# KiCad board skippy 2.kicad_pcb (continued)
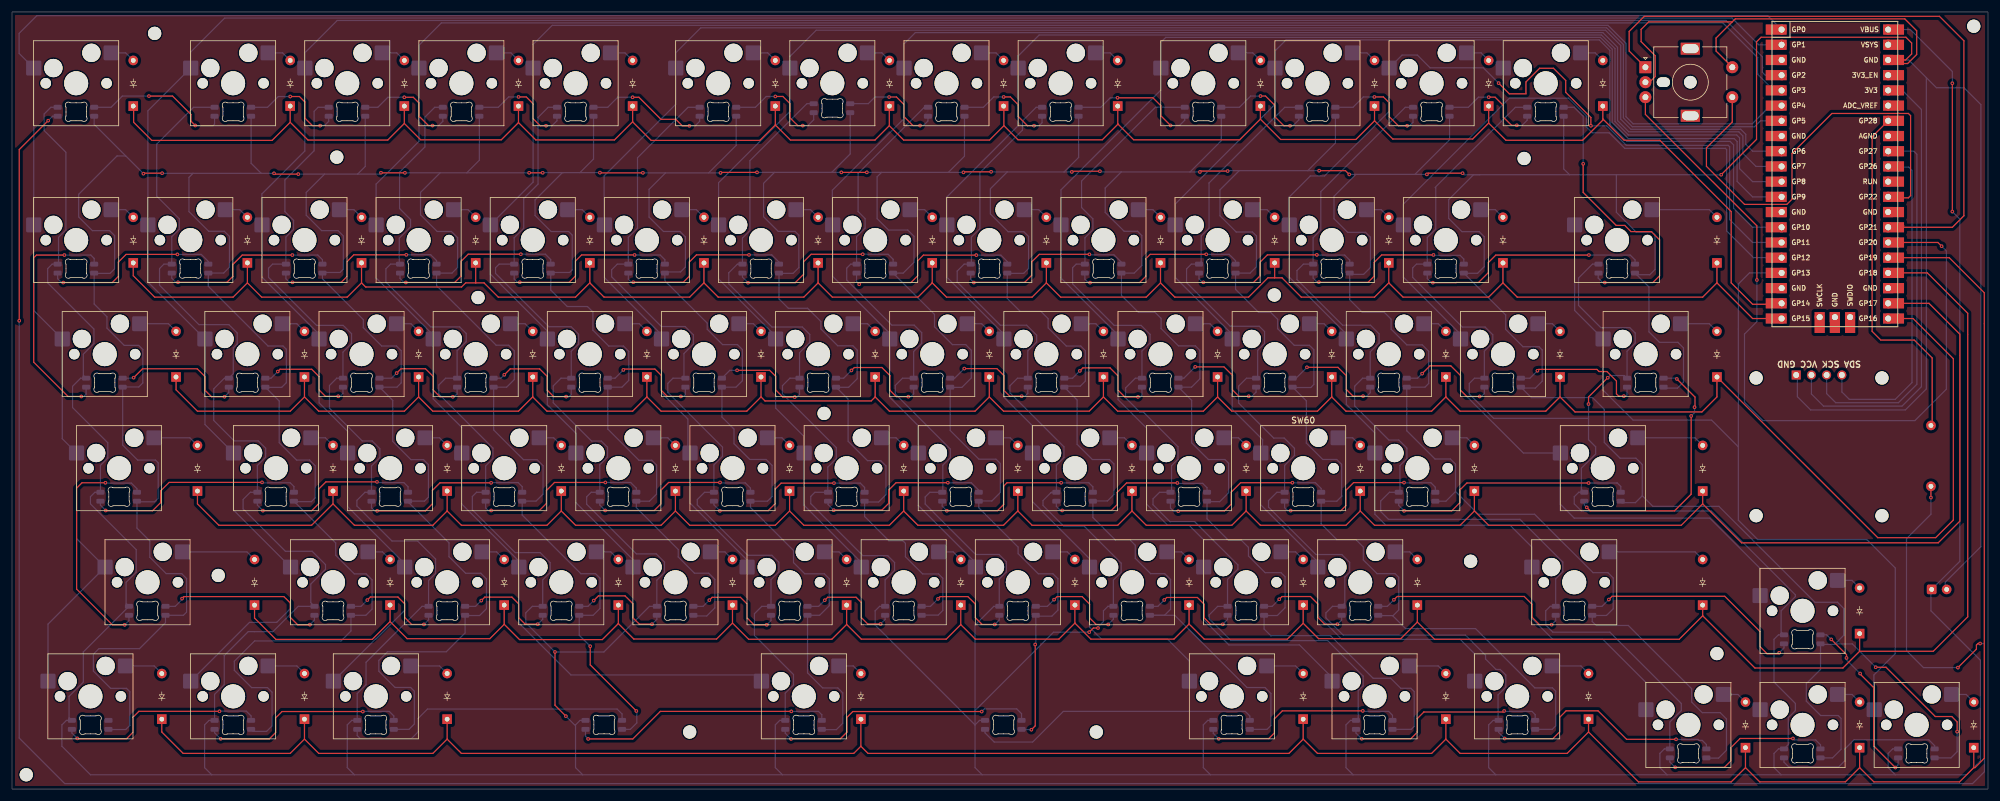
[diagram p0: board, top side]
## Routing (per net, layer and track width the routed paths; a pad name or vN(x,y) marks a point on that pad's centre or on a via; arc(x,y) is an arc through that point) (continued)
Col_8: length 267.6
  Bottom w0.2: SW44.1 160.79,37.83 151.27,47.36 SW43.1 151.21,56.18 151.21,60.72 146.51,65.43 SW42.1 146.51,76.09 136.98,85.62 SW41.1 136.92,94.28 136.92,100.01 148.89,111.98 SW40.1 148.89,124.45 150.77,126.33 265.52,126.33 267.97,123.88 267.97,111.64 269.84,109.77 288.2,109.77 288.89,109.08 288.89,106.17 291.08,103.98 U1.10
Col_9: length 281.8
  Bottom w0.2: U1.11 290.51,101.44 288.34,103.62 288.34,108.76 287.86,109.24 269.77,109.24 269.77,109.25 267.55,111.47 267.55,123.66 265.28,125.93 171.43,125.93 167.94,122.44 SW45.1 167.94,110.79 155.97,98.82 155.97,94.28 SW46.1 156.03,85.49 165.56,75.96 SW47.1 165.56,65.43 170.26,60.72 170.26,56.18 SW48.1 170.32,48 179.84,38.47 SW49.1 179.84,27.02 181.86,25 192.88,25 196.51,21.37 SW50.1
Col_10: length 267.9
  Bottom w0.2: U1.12 290.51,98.9 287.93,101.49 287.93,108.14 287.44,108.63 269.78,108.63 267.09,111.32 267.09,123.56 265.11,125.53 192.56,125.53 191.75,124.72 SW51.1 191.75,116.74 175.08,100.07 SW52.1 175.08,85.35 184.61,75.82 SW53.1 184.61,65.03 189.37,60.27 SW54.1 189.37,47.57 192.88,44.05 196.45,44.05 198.89,41.61 SW55.1 198.89,28.27 203.1,24.07 214.89,24.07 220.32,18.63 SW56.1 ; 295.35,99.7 295.35,99.14
Col_11: length 256.4
  Bottom w0.2: SW62.1 244.08,18.08 244.08,22.62 241.7,25 221.95,25 217.94,29.01 SW61.1 217.94,37.94 208.42,47.47 SW60.1 208.73,56.43 208.73,58.35 203.66,63.42 SW59.1 203.66,75.94 194.13,85.47 SW58.1 194.13,97.69 210.8,114.36 SW57.1 210.8,123.27 212.65,125.12 264.92,125.12 266.69,123.35 266.69,111.22 266.7,111.21 266.7,111 269.54,108.16 286.76,108.16 287.34,107.58 287.34,97 290.51,93.82 U1.14
Col_12: length 250.3
  Top w0.2: v1(263.52,110.77) 263.52,112.16 259.32,116.36 259.32,118.34 257.28,120.38 254.97,120.38 252.69,118.1 252.69,116.11 249.91,116.11 v1(248.12,117.9)
  Bottom w0.2: v1(263.52,110.77) 266.17,110.77 269.43,107.51 286.44,107.51 286.68,107.27 286.68,95.12 290.51,91.28 U1.15 ; v1(248.12,117.9) 245.56,120.46 236.68,120.46 234.56,122.58 232.02,122.58 SW63.1 229.85,113.17 219.08,102.39 216.69,102.39 213.12,98.82 213.12,94.28 SW64.1 213.18,85.51 222.71,75.98 SW65.1 222.71,64.23 227.47,59.47 SW66.1 227.47,45.9 229.31,44.05 250.03,44.05 253.66,40.42 SW67.1 253.66,28.52 257.18,25 265.51,25 272.65,17.86 272.65,13.31 SW68.1
Col_13: length 222.7
  Bottom w0.2: SW74.1 SW73.1 291.7,32.36 291.7,36.91 283.37,45.24 260.75,45.24 258.42,47.57 SW72.1 252.25,56.12 241.76,66.62 SW71.1 241.76,75.96 232.23,85.49 SW70.1 232.23,97.69 248.78,114.24 ; SW69.1 248.9,114.36 248.78,114.24 ; 248.78,114.24 249.92,115.38 259.79,115.38 262.78,112.39 262.78,110.55 263.73,109.6 266.58,109.6 269.17,107.01 285.96,107.01 286.18,106.79 286.18,93.22 290.66,88.74 U1.16
Col_14: length 158.2
  Bottom w0.2: 288.13,57.15 288.13,84.34 289.99,86.2 U1.17 ; 288.13,57.15 288.13,44.9 291.36,41.67 309.56,41.67 314.32,36.91 314.32,22.62 310.75,19.05 310.75,13.31 SW77.1 ; 288.13,57.15 283.67,61.61 270.57,61.61 265.57,66.62 SW76.1 260.81,79.93 SW75.1
Led_DATA: length 505.8
  Top w0.2: v1(324.78,20.28) 327.87,23.37 327.87,24.05 328.12,24.3 v1(328.48,24.3) ; v1(6.04,111.63) 1.21,106.8 v1(1.21,78.21) ; v1(320.28,48.68) R1.2
  Bottom w0.2: v1(1.21,78.21) 1.21,8.51 8.81,0.91 327.23,0.91 329.2,2.88 329.2,24.3 v1(328.48,24.3) ; L1.2 6.77,112.36 v1(6.04,111.63) ; v1(320.28,48.68) 320.28,45.9 316.2,41.82 316.2,23.11 319.03,20.28 v1(324.78,20.28)
Row_1: length 360
  Top w0.2: D30.1 127.4,114.06 127.4,110.91 ; 208.36,111.88 211.75,108.48 224.29,108.48 227.41,111.6 ; 208.36,111.88 204.92,108.43 187.2,108.43 184.59,111.05 ; 208.36,111.88 D51.1 ; 146.43,110.78 144.03,108.38 129.93,108.38 127.4,110.91 ; 146.43,110.78 146.43,114.04 D35.1 ; 146.43,110.78 148.83,108.38 163.15,108.38 165.55,110.78 ; 127.4,110.91 124.83,108.33 106.68,108.33 103.58,111.43 ; 84.53,111.3 D19.1 ; 84.53,111.3 81.67,108.43 68.2,108.43 65.48,111.15 ; 84.53,111.3 87.43,108.41 100.55,108.41 103.58,111.43 ; 103.58,111.43 103.58,111.44 D25.1 ; D40.1 165.55,114.01 165.55,110.78 ; D69.1 265.51,111.92 ; 265.51,111.92 265.51,111.72 262.14,108.35 249.34,108.35 246.46,111.23 ; 265.51,111.92 269.08,108.35 275.03,108.35 286.94,96.44 286.94,84.53 290.51,80.96 295.2,80.96 U1.19 ; 246.46,111.23 243.79,108.56 230.45,108.56 227.41,111.6 ; 246.46,111.23 D63.1 ; 46.43,111.35 49.4,108.38 62.72,108.38 65.48,111.15 ; 46.43,111.35 43.42,108.33 23.33,108.33 20.3,111.36 20.3,114 D1.1 ; 46.43,111.35 D7.1 ; D45.1 184.55,114.06 184.55,111.08 184.59,111.05 ; 184.59,111.05 181.98,108.43 167.9,108.43 165.55,110.78 ; 227.41,111.6 D57.1 ; 65.48,111.15 D13.1
  Bottom w0.2: 294.96,80.96 295.35,81.36
Row_2: length 347.6
  Top w0.2: 172.64,84.53 175.02,82.15 189.31,82.15 191.69,84.53 ; 172.64,84.53 D46.1 ; 172.64,84.53 170.26,82.15 155.97,82.15 153.59,84.53 ; 115.49,84.53 113.11,82.15 98.82,82.15 96.44,84.53 ; 115.49,84.53 D31.1 ; 115.49,84.53 117.87,82.15 132.16,82.15 134.54,84.53 ; 248.84,84.53 251.22,82.15 282.18,82.15 284.56,84.53 ; 248.84,84.53 D70.1 ; 248.84,84.53 246.46,82.15 232.17,82.15 229.79,84.53 ; 77.39,84.53 75.72,84.53 75.04,83.85 59.03,83.85 58.34,84.53 ; 77.39,84.53 D20.1 ; 77.39,84.53 78.78,84.53 81.16,82.15 94.06,82.15 96.44,84.53 ; 96.44,84.53 D26.1 ; 229.79,84.53 D64.1 ; 229.79,84.53 227.41,82.15 215.18,82.15 211.96,85.38 210.74,85.38 ; D2.1 20.24,85.73 23.81,82.15 36.91,82.15 39.29,84.53 ; 134.54,84.53 D36.1 ; 134.54,84.53 136.92,82.15 151.21,82.15 153.59,84.53 ; 191.69,84.53 D52.1 ; 191.69,84.53 194.07,82.15 206.39,82.15 209.62,85.38 210.74,85.38 ; 210.74,85.38 D58.1 ; 39.29,84.53 D8.1 ; 39.29,84.53 41.67,82.15 55.96,82.15 58.34,84.53 ; 153.59,84.53 D41.1 ; 58.34,84.53 D14.1 ; 284.56,84.53 290.51,78.58 U1.20 ; 284.56,84.53 D75.1
Row_3: length 419.9
  Top w0.2: 220.27,65.48 222.65,63.1 236.93,63.1 239.32,65.48 ; 220.27,65.48 D59.1 ; 220.27,65.48 217.88,63.1 203.6,63.1 201.22,65.48 ; 144.07,65.48 146.45,63.1 160.73,63.1 163.12,65.48 ; 144.07,65.48 143.4,64.82 125.68,64.82 125.02,65.48 ; 144.07,65.48 D37.1 ; 163.12,65.48 165.5,63.1 179.78,63.1 182.17,65.48 ; 163.12,65.48 D42.1 ; 239.32,65.48 D65.1 ; 239.32,65.48 241.7,63.1 255.98,63.1 258.37,65.48 ; 201.22,65.48 D53.1 ; 201.22,65.48 198.83,63.1 184.55,63.1 182.17,65.48 ; 125.02,65.48 D32.1 ; 125.02,65.48 122.63,63.1 108.35,63.1 105.97,65.48 ; U1.21 317.3,78.58 324.02,71.86 324.02,44.93 321.07,41.98 311.4,41.98 D76.1 284.56,65.48 282.05,62.98 260.87,62.98 258.37,65.48 ; 182.17,65.48 D47.1 ; 258.37,65.48 D71.1 ; 48.82,65.48 D9.1 ; 48.82,65.48 51.2,63.1 65.48,63.1 67.87,65.48 ; 48.82,65.48 46.43,63.1 30.96,63.1 27.38,66.68 D3.1 ; 67.87,65.48 70.25,63.1 84.53,63.1 86.92,65.48 ; 67.87,65.48 D15.1 ; 86.92,65.48 D21.1 ; 86.92,65.48 89.3,63.1 103.58,63.1 105.97,65.48 ; 105.97,65.48 D27.1
Row_4: length 409.6
  Top w0.2: 53.58,47.62 D10.1 ; 53.58,47.62 50.01,44.05 34.53,44.05 30.96,47.62 D4.1 ; 53.58,47.62 57.15,44.05 70.25,44.05 72.63,46.43 ; 282.18,47.62 D72.1 ; 282.18,47.62 278.61,44.05 246.46,44.05 244.08,46.43 ; 282.18,47.62 288.68,41.12 321.48,41.12 325.1,44.74 325.1,75.97 319.95,81.12 U1.22 ; 148.83,46.43 151.21,44.05 165.5,44.05 167.88,46.43 ; 148.83,46.43 146.45,44.05 132.16,44.05 129.78,46.43 ; 148.83,46.43 D38.1 ; 167.88,46.43 170.26,44.05 184.55,44.05 186.93,46.43 ; 167.88,46.43 D43.1 ; 205.98,46.43 203.6,44.05 189.31,44.05 186.93,46.43 ; 205.98,46.43 208.36,44.05 222.65,44.05 225.03,46.43 ; 205.98,46.43 D54.1 ; 110.73,46.43 113.11,44.05 127.4,44.05 129.78,46.43 ; 110.73,46.43 D28.1 ; 110.73,46.43 108.35,44.05 94.06,44.05 91.68,46.43 ; 225.03,46.43 D60.1 ; 225.03,46.43 227.41,44.05 241.7,44.05 244.08,46.43 ; 72.63,46.43 D16.1 ; 72.63,46.43 75.01,44.05 89.3,44.05 91.68,46.43 ; 186.93,46.43 D48.1 ; 129.78,46.43 D33.1 ; 244.08,46.43 D66.1 ; 91.68,46.43 D22.1 ; 313.53,80.96 313.13,81.36
Row_5: length 422.2
  Top w0.2: 101.2,27.63 98.53,24.96 84.7,24.96 82.15,27.51 ; 101.2,27.63 103.78,25.06 117.6,25.06 120.25,27.71 ; 101.2,27.63 D23.1 ; 158.35,27.46 155.93,25.03 141.75,25.03 139.3,27.48 ; 158.35,27.46 D39.1 ; 158.35,27.46 160.78,25.03 174.73,25.03 177.4,27.71 ; U1.24 319.68,86.2 326.42,79.46 326.42,28.76 320.66,23 308.37,23 ; 308.37,23 305.58,20.21 290.9,20.21 282.18,28.93 ; 308.37,23 D73.1 ; 63.1,27.96 D11.1 ; 63.1,27.96 60.13,24.98 44.05,24.98 40.48,28.56 D5.1 ; 63.1,27.96 65.95,25.11 79.75,25.11 82.15,27.51 ; 139.3,27.48 D34.1 ; 139.3,27.48 136.83,25.01 122.95,25.01 120.25,27.71 ; 177.4,27.71 D44.1 ; 177.4,27.71 180.08,25.03 193.93,25.03 196.45,27.56 ; 82.15,27.51 D17.1 ; 215.5,27.68 218.08,25.11 231.78,25.11 234.55,27.88 ; 215.5,27.68 212.85,25.03 198.98,25.03 196.45,27.56 ; 215.5,27.68 D55.1 ; 234.55,27.88 237.43,25.01 278.25,25.01 282.18,28.93 ; 234.55,27.88 D61.1 ; 282.18,28.93 D67.1 ; 120.25,27.71 D29.1 ; 196.45,27.56 D49.1
Row_6: length 453.7
  Top w0.2: 263.13,9.53 D62.1 ; 263.13,9.53 259.56,5.95 241.7,5.95 239.32,8.33 ; 263.13,9.53 271.46,1.19 286.94,1.19 289.32,3.57 ; 327.42,3.57 325.04,1.19 310.75,1.19 308.37,3.57 ; 327.42,3.57 D77.1 ; 327.42,3.57 327.62,3.57 329.18,5.13 329.18,82.89 323.33,88.74 U1.25 ; 308.37,3.57 D74.1 ; 308.37,3.57 305.99,1.19 291.7,1.19 289.32,3.57 ; 289.32,3.57 D68.1 ; 239.32,8.33 D56.1 ; 239.32,8.33 236.93,5.95 217.88,5.95 215.5,8.33 ; 141.68,7.14 142.88,5.95 213.12,5.95 215.5,8.33 ; 141.68,7.14 D24.1 ; 141.68,7.14 140.49,5.95 75.01,5.95 72.63,8.33 ; 72.63,8.33 D18.1 ; 72.63,8.33 70.25,5.95 51.2,5.95 48.82,8.33 ; 48.82,8.33 46.43,5.95 28.57,5.95 25,9.53 D6.1 ; 48.82,8.33 D12.1 ; 313.31,89.16 313.13,88.98 ; 215.5,8.33 D50.1
S1: length 78.3
  Top w0.2: SW78.S1 287.12,111.4 282.81,107.09 282.81,104 289.17,97.64 296.23,97.64 297.09,98.5 297.09,106.17 303.75,112.83 316.52,112.83 316.88,112.47 316.88,99.11 316.51,98.74 313.3,98.74 U1.29
SCL: length 63.5
  Bottom w0.2: U1.32 313.14,106.53 317.42,106.53 317.93,106.02 317.93,67.6 314.85,64.52 304.39,64.52 302.87,66.04 J1.3
SDA: length 55.9
  Bottom w0.2: J1.4 305.41,66.32 306.65,65.08 314.32,65.08 317.12,67.88 317.12,103.32 316.58,103.86 313.26,103.86 U1.31
Net-(D1-A): length 4.2
  Bottom w0.2: SW1.2 18.97,122.95 D1.2
Net-(D2-A): length 4.2
  Bottom w0.2: D2.2 18.97,96.76 SW2.2
Net-(D3-A): length 6.6
  Bottom w0.2: D3.2 26.11,77.71 SW3.2
Net-(D4-A): length 7.8
  Bottom w0.2: SW4.2 29.69,58.66 D4.2
Net-(D5-A): length 12.5
  Bottom w0.2: D5.2 39.21,39.61 SW5.2
Net-(D6-A): length 6.6
  Bottom w0.2: D6.2 23.73,20.56 SW6.2
Net-(D7-A): length 4.2
  Bottom w0.2: D7.2 45.16,122.95 SW7.2
Net-(D8-A): length 4.2
  Bottom w0.2: D8.2 38.02,96.76 SW8.2
Net-(D9-A): length 4.2
  Bottom w0.2: D9.2 47.55,77.71 SW9.2
Net-(D10-A): length 4.2
  Bottom w0.2: D10.2 52.31,58.66 SW10.2
Net-(D11-A): length 4.2
  Bottom w0.2: SW11.2 61.83,39.61 D11.2
Net-(D12-A): length 6.6
  Bottom w0.2: D12.2 47.55,20.56 SW12.2
Net-(D13-A): length 4.2
  Bottom w0.2: SW13.2 64.21,122.95 D13.2
Net-(D14-A): length 4.2
  Bottom w0.2: SW14.2 57.07,96.76 D14.2
Net-(D15-A): length 4.2
  Bottom w0.2: SW15.2 66.6,77.71 D15.2
Net-(D16-A): length 4.2
  Bottom w0.2: D16.2 71.36,58.66 SW16.2
Net-(D17-A): length 4.2
  Bottom w0.2: D17.2 80.88,39.61 SW17.2
Net-(D18-A): length 6.6
  Bottom w0.2: D18.2 71.36,20.56 SW18.2
Net-(D19-A): length 4.2
  Bottom w0.2: SW19.2 83.26,122.95 D19.2
Net-(D20-A): length 4.2
  Bottom w0.2: D20.2 76.12,96.76 SW20.2
Net-(D21-A): length 4.2
  Bottom w0.2: SW21.2 85.65,77.71 D21.2
Net-(D22-A): length 4.2
  Bottom w0.2: SW22.2 90.41,58.66 D22.2
Net-(D23-A): length 4.2
  Bottom w0.2: D23.2 99.93,39.61 SW23.2
Net-(D24-A): length 4.2
  Bottom w0.2: SW24.2 140.41,20.56 D24.2
Net-(D25-A): length 4.2
  Bottom w0.2: SW25.2 102.31,122.95 D25.2
Net-(D26-A): length 4.2
  Bottom w0.2: SW26.2 95.17,96.76 D26.2
Net-(D27-A): length 4.2
  Bottom w0.2: SW27.2 104.7,77.71 D27.2
Net-(D28-A): length 4.2
  Bottom w0.2: D28.2 109.46,58.66 SW28.2
Net-(D29-A): length 4.2
  Bottom w0.2: D29.2 118.98,39.61 SW29.2
Net-(D30-A): length 4.2
  Bottom w0.2: D30.2 126.13,122.95 SW30.2
Net-(D31-A): length 4.2
  Bottom w0.2: D31.2 114.22,96.76 SW31.2
Net-(D32-A): length 4.2
  Bottom w0.2: D32.2 123.75,77.71 SW32.2
Net-(D33-A): length 4.2
  Bottom w0.2: D33.2 128.51,58.66 SW33.2
Net-(D34-A): length 4.2
  Bottom w0.2: SW34.2 138.03,39.61 D34.2
Net-(D35-A): length 4.2
  Bottom w0.2: SW35.2 145.18,122.95 D35.2
Net-(D36-A): length 4.2
  Bottom w0.2: SW36.2 133.27,96.76 D36.2
Net-(D37-A): length 4.2
  Bottom w0.2: D37.2 142.8,77.71 SW37.2
Net-(D38-A): length 4.2
  Bottom w0.2: D38.2 147.56,58.66 SW38.2
Net-(D39-A): length 4.2
  Bottom w0.2: D39.2 157.08,39.61 SW39.2
Net-(D40-A): length 4.2
  Bottom w0.2: SW40.2 164.23,122.95 D40.2
Net-(D41-A): length 4.2
  Bottom w0.2: D41.2 152.32,96.76 SW41.2
Net-(D42-A): length 4.2
  Bottom w0.2: D42.2 161.85,77.71 SW42.2
Net-(D43-A): length 4.2
  Bottom w0.2: D43.2 166.61,58.66 SW43.2
Net-(D44-A): length 4.2
  Bottom w0.2: SW44.2 176.13,39.61 D44.2
Net-(D45-A): length 4.2
  Bottom w0.2: SW45.2 183.28,122.95 D45.2
Net-(D46-A): length 4.2
  Bottom w0.2: D46.2 171.37,96.76 SW46.2
Net-(D47-A): length 4.2
  Bottom w0.2: SW47.2 180.9,77.71 D47.2
Net-(D48-A): length 4.2
  Bottom w0.2: SW48.2 185.66,58.66 D48.2
Net-(D49-A): length 4.2
  Bottom w0.2: SW49.2 195.18,39.61 D49.2
Net-(D50-A): length 6.6
  Bottom w0.2: SW50.2 214.23,20.56 D50.2
Net-(D51-A): length 4.2
  Bottom w0.2: D51.2 207.09,122.95 SW51.2
Net-(D52-A): length 4.2
  Bottom w0.2: D52.2 190.42,96.76 SW52.2
Net-(D53-A): length 4.2
  Bottom w0.2: SW53.2 199.95,77.71 D53.2
Net-(D54-A): length 4.2
  Bottom w0.2: SW54.2 204.71,58.66 D54.2
Net-(D55-A): length 4.2
  Bottom w0.2: SW55.2 214.23,39.61 D55.2
Net-(D56-A): length 6.6
  Bottom w0.2: SW56.2 238.05,20.56 D56.2
Net-(D57-A): length 4.2
  Bottom w0.2: SW57.2 226.14,122.95 D57.2
Net-(D58-A): length 4.2
  Bottom w0.2: D58.2 209.47,96.76 SW58.2
Net-(D59-A): length 4.2
  Bottom w0.2: SW59.2 219,77.71 D59.2
Net-(D60-A): length 4.2
  Bottom w0.2: SW60.2 223.76,58.66 D60.2
Net-(D61-A): length 4.2
  Bottom w0.2: SW61.2 233.28,39.61 D61.2
Net-(D62-A): length 6.6
  Bottom w0.2: D62.2 261.86,20.56 SW62.2
Net-(D63-A): length 4.2
  Bottom w0.2: SW63.2 245.19,122.95 D63.2
Net-(D64-A): length 4.2
  Bottom w0.2: D64.2 228.52,96.76 SW64.2
Net-(D65-A): length 4.2
  Bottom w0.2: D65.2 238.05,77.71 SW65.2
Net-(D66-A): length 4.2
  Bottom w0.2: SW66.2 242.81,58.66 D66.2
Net-(D67-A): length 16.1
  Bottom w0.2: SW67.2 280.91,39.61 D67.2
Net-(D68-A): length 4.2
  Bottom w0.2: SW68.2 288.05,15.8 D68.2
Net-(D69-A): length 4.2
  Bottom w0.2: D69.2 264.24,122.95 SW69.2
Net-(D70-A): length 4.2
  Bottom w0.2: SW70.2 247.57,96.76 D70.2
Net-(D71-A): length 4.2
  Bottom w0.2: SW71.2 257.1,77.71 D71.2
Net-(D72-A): length 11.4
  Bottom w0.2: D72.2 280.91,58.66 SW72.2
Net-(D73-A): length 4.2
  Bottom w0.2: SW73.2 307.1,34.85 D73.2
Net-(D74-A): length 4.2
  Bottom w0.2: SW74.2 307.1,15.8 D74.2
Net-(D75-A): length 11.4
  Bottom w0.2: SW75.2 283.29,96.76 D75.2
Net-(D76-A): length 6.6
  Bottom w0.2: D76.2 283.29,77.71 SW76.2
Net-(D77-A): length 4.2
  Bottom w0.2: D77.2 326.15,15.8 SW77.2
Net-(L1-DOUT): length 25
  Top w0.2: v1(30.6,110.82) 29.88,111.54 29.88,112.65 26.8,115.73 v1(22.86,115.73)
  Bottom w0.2: v1(22.86,115.73) 18.41,115.73 16.54,113.86 L1.4 ; v1(30.6,110.82) 30.64,110.78 33.54,110.78 33.81,111.05 L2.2
Net-(L2-DOUT): length 18.4
  Top w0.2: v1(46.44,115.66) 47.97,115.66 48.9,114.73 48.9,112.04 50.14,110.8 v1(51.43,110.8)
  Bottom w0.2: L3.2 52.86,111.51 52.2,110.85 51.6,110.85 51.55,110.8 v1(51.43,110.8) ; L2.4 42.65,113.86 44.45,115.66 v1(46.44,115.66)
Net-(L3-DOUT): length 18
  Top w0.2: v1(70.19,110.81) 69.51,110.81 67.93,112.39 67.93,114.58 66.98,115.53 v1(65.48,115.53)
  Bottom w0.2: L4.2 71.91,112.36 71.91,111.52 71.2,110.81 v1(70.19,110.81) ; v1(65.48,115.53) 62.74,115.53 61.07,113.86 L3.4
Net-(L4-DOUT): length 18.2
  Top w0.2: v1(84.55,115.59) 85.83,115.59 86.98,114.44 86.98,111.96 88.16,110.78 v1(89.13,110.78)
  Bottom w0.2: v1(89.13,110.78) 90.13,110.78 90.96,111.61 L5.2 ; v1(84.55,115.59) 82.9,115.59 81.17,113.86 L4.4
Net-(L5-DOUT): length 21.5
  Top w0.2: v1(113.07,110.77) 111.87,110.77 110.79,111.85 108.32,111.85 104.64,115.53 v1(103.59,115.53)
  Bottom w0.2: L6.2 114.77,111.51 114.03,110.77 v1(113.07,110.77) ; v1(103.59,115.53) 101.1,115.53 99.43,113.86 L5.4
Net-(L6-DOUT): length 18.7
  Top w0.2: v1(131.98,110.8) 131.15,110.8 129.85,112.1 129.85,114.48 128.66,115.67 v1(127.4,115.67)
  Bottom w0.2: v1(127.4,115.67) 125.89,115.67 124.08,113.86 L6.4 ; v1(131.98,110.8) 132.83,110.8 133.8,111.77 L7.2
Net-(L7-DOUT): length 17.7
  Top w0.2: v1(146.4,115.57) 146.41,115.58 147.62,115.58 148.91,114.29 148.91,112.27 150.37,110.81 v1(151.56,110.81)
  Bottom w0.2: L8.2 152.87,111.57 152.11,110.81 v1(151.56,110.81) ; v1(146.4,115.57) 146.39,115.58 144.03,115.58 142.91,114.46 L7.4
Net-(L8-DOUT): length 18.1
  Top w0.2: v1(165.52,115.59) 166.63,115.59 167.96,114.26 167.96,112.32 169.49,110.79 v1(170.59,110.79)
  Bottom w0.2: v1(165.52,115.59) 163.87,115.59 162.14,113.86 L8.4 ; v1(170.59,110.79) 171.43,110.79 171.92,111.28 L9.2
Net-(L10-DIN): length 22.3
  Top w0.2: v1(193.36,110.83) 191.74,112.45 191.74,114.13 190.42,115.45 v1(184.52,115.45)
  Bottom w0.2: v1(193.36,110.83) 194.87,110.83 195.73,111.7 L10.2 ; L9.4 181.72,113.86 183.31,115.45 v1(184.52,115.45)
Net-(L10-DOUT): length 17.9
  Top w0.2: v1(213.31,110.78) 212.28,110.78 210.79,112.27 210.79,114.17 209.22,115.74 v1(208.38,115.74)
  Bottom w0.2: v1(208.38,115.74) 206.74,115.74 204.86,113.86 L10.4 ; L11.2 214.78,111.77 213.8,110.78 v1(213.31,110.78)
Net-(L11-DOUT): length 18.3
  Top w0.2: v1(232.85,110.78) 231.38,110.78 229.88,112.28 229.88,114.6 228.89,115.59 v1(227.39,115.59)
  Bottom w0.2: L12.2 233.83,111.36 233.26,110.78 v1(232.85,110.78) ; v1(227.39,115.59) 225.55,115.59 223.82,113.86 L11.4
Net-(L12-DOUT): length 17.8
  Top w0.2: v1(251.16,110.85) 250.27,110.85 248.91,112.21 248.91,114.17 247.53,115.55 v1(246.48,115.55)
  Bottom w0.2: L12.4 243.07,113.86 244.76,115.55 v1(246.48,115.55) ; v1(251.16,110.85) 252.04,110.85 252.88,111.7 L13.2
Net-(L13-DOUT): length 50.5
  Top w0.2: v1(262.24,104.42) 262.24,99.64 267.75,94.13 269.18,94.13 270.21,93.1 273.61,93.1 274.99,91.72 274.99,85.72 273.86,84.59 v1(265.84,84.59)
  Bottom w0.2: v1(262.24,104.42) 262.24,112.35 260.73,113.86 L13.4 ; L14.2 264.74,86.11 264.74,85.34 265.49,84.59 v1(265.84,84.59)
Net-(L14-DOUT): length 39.8
  Top w0.2: v1(263.19,89.18) 247.66,89.18 246.4,87.92 246.4,86.23 244.77,84.6 241.04,84.6 241.01,84.57 v1(237.15,84.57)
  Bottom w0.2: v1(263.19,89.18) 270.08,89.18 270.89,88.37 270.89,87.67 L14.4 ; v1(237.15,84.57) 236.89,84.57 236.22,85.24 L15.2
Net-(L15-DOUT): length 30.6
  Top w0.2: v1(218.12,84.65) 218.14,84.63 226.33,84.63 227.34,85.64 227.34,87.94 228.6,89.2 v1(237.25,89.2)
  Bottom w0.2: v1(218.12,84.65) 217.85,84.65 217.17,85.33 L16.2 ; L15.4 242.32,88.5 241.68,89.14 237.31,89.14 v1(237.25,89.2)
Net-(L16-DOUT): length 30.6
  Top w0.2: v1(217.79,89.21) 209.53,89.21 208.31,87.99 208.31,85.71 207.2,84.6 198.86,84.6 v1(198.84,84.62)
  Bottom w0.2: L16.4 223.27,88.34 222.43,89.18 217.82,89.18 v1(217.79,89.21) ; L17.2 198.12,85.2 198.7,84.62 v1(198.84,84.62)
Net-(L17-DOUT): length 31.1
  Top w0.2: v1(199.33,89.3) 189.97,89.3 189.24,88.57 189.24,85.63 188.2,84.59 179.95,84.59 v1(179.93,84.57)
  Bottom w0.2: v1(179.93,84.57) 179.64,84.57 179.07,85.15 L18.2 ; L17.4 204.22,88.22 203.14,89.3 v1(199.33,89.3)
Net-(L18-DOUT): length 30.5
  Top w0.2: v1(179.82,89.3) 171.46,89.3 170.19,88.03 170.19,85.8 169.01,84.62 160.56,84.62 v1(160.53,84.59)
  Bottom w0.2: L18.4 185.17,87.97 183.92,89.22 179.9,89.22 v1(179.82,89.3) ; L19.2 160.02,85.1 v1(160.53,84.59)
Net-(L19-DOUT): length 31.1
  Top w0.2: v1(141.4,84.3) 141.69,84.59 150.03,84.59 151.16,85.72 151.16,88.21 152.12,89.17 v1(160.95,89.17)
  Bottom w0.2: v1(141.4,84.3) 140.97,84.73 L20.2 ; L19.4 166.12,88.09 165.04,89.17 v1(160.95,89.17)
Net-(L20-DOUT): length 30.5
  Top w0.2: v1(122.85,84.56) 130.71,84.56 132.12,85.97 132.12,88.05 133.38,89.31 v1(141.99,89.31)
  Bottom w0.2: L20.4 147.07,88.47 146.23,89.31 v1(141.99,89.31) ; v1(122.85,84.56) 121.92,85.49 L21.2
Net-(L21-DOUT): length 30.5
  Top w0.2: v1(103.69,84.64) 112.04,84.64 113.05,85.65 113.05,88.02 114.24,89.21 v1(123.01,89.21)
  Bottom w0.2: v1(103.69,84.64) 103.37,84.64 102.87,85.15 L22.2 ; L21.4 128.02,88 126.81,89.21 v1(123.01,89.21)
Net-(L22-DOUT): length 30.8
  Top w0.2: v1(84.75,84.63) 92.99,84.63 94.05,85.69 94.05,88.18 95.07,89.2 v1(103.92,89.2)
  Bottom w0.2: L23.2 83.82,85.18 84.33,84.67 84.71,84.67 v1(84.75,84.63) ; v1(103.92,89.2) 103.93,89.19 108.19,89.19 108.97,88.41 L22.4
Net-(L23-DOUT): length 30.8
  Top w0.2: v1(84.93,89.32) 76.14,89.32 74.95,88.13 74.95,85.67 73.88,84.6 v1(65.74,84.6)
  Bottom w0.2: L24.2 64.77,85.27 65.44,84.6 v1(65.74,84.6) ; L23.4 89.92,88.42 89.02,89.32 v1(84.93,89.32)
Net-(L24-DOUT): length 30.7
  Top w0.2: v1(46.82,84.62) 54.94,84.62 55.91,85.59 55.91,88.07 57.06,89.22 v1(65.81,89.22)
  Bottom w0.2: L24.4 70.87,88.24 69.88,89.23 65.82,89.23 v1(65.81,89.22) ; v1(46.82,84.62) 46.32,84.62 45.72,85.22 L25.2
Net-(L25-DOUT): length 30.4
  Top w0.2: v1(27.71,84.63) 35.88,84.63 36.86,85.61 36.86,87.61 38.43,89.18 v1(46.79,89.18)
  Bottom w0.2: v1(46.79,89.18) 51.04,89.18 51.82,88.4 L25.4 ; L26.2 26.67,85.32 27.36,84.63 v1(27.71,84.63)
Net-(L26-DOUT): length 30.6
  Top w0.2: v1(27.61,89.29) 19.04,89.29 17.75,88 17.75,85.6 16.74,84.59 v1(8.56,84.59)
  Bottom w0.2: v1(27.61,89.29) 31.58,89.29 32.77,88.1 L26.4 ; L27.2 7.62,85.24 8.27,84.59 v1(8.56,84.59)
Net-(L27-DOUT): length 41.3
  Top w0.2: v1(8.75,89.18) 4.09,89.18 3.63,88.72 3.63,71.29 9.36,65.56 v1(11.57,65.56)
  Bottom w0.2: v1(8.75,89.18) 13.15,89.18 13.72,88.61 L27.4 ; v1(11.57,65.56) 11.98,65.56 12.38,65.96 L28.2
Net-(L28-DOUT): length 22.8
  Top w0.2: v1(20.3,68.7) 21.79,70.19 30.91,70.19 32.21,68.89 32.21,66.62 33.31,65.52 v1(35.47,65.52)
  Bottom w0.2: L28.4 20.21,68.62 v1(20.3,68.7) ; v1(35.47,65.52) 36.19,66.24 L29.2
Net-(L29-DOUT): length 18
  Top w0.2: v1(54.46,65.59) 52.32,65.59 51.27,66.64 51.27,68.86 50.02,70.11 44.74,70.11 v1(44.36,69.73)
  Bottom w0.2: L29.4 43.24,68.62 v1(44.36,69.73) ; L30.2 55.24,66.07 54.76,65.59 v1(54.46,65.59)
Net-(L30-DOUT): length 18.2
  Top w0.2: v1(73.58,65.52) 71.43,65.52 70.31,66.64 70.31,68.9 69.01,70.2 64.94,70.2 v1(64.2,69.46)
  Bottom w0.2: v1(73.58,65.52) 73.83,65.52 74.29,65.98 74.29,67.06 74.26,67.09 ; v1(64.2,69.46) 63.35,68.62 L30.4
Net-(L31-DOUT): length 18.3
  Top w0.2: v1(82.17,69.18) 83.16,70.17 88.07,70.17 89.33,68.91 89.33,66.62 90.41,65.54 v1(92.49,65.54)
  Bottom w0.2: L32.2 93.34,65.9 92.93,65.49 92.54,65.49 v1(92.49,65.54) ; v1(82.17,69.18) 81.6,68.62 L31.4
Net-(L32-DOUT): length 18.3
  Top w0.2: v1(102.04,70) 102.18,70.14 107.31,70.14 108.37,69.08 108.37,66.59 109.39,65.57 v1(111.64,65.57)
  Bottom w0.2: v1(102.04,70) 100.65,68.62 L32.4 ; L33.2 112.39,65.86 112.1,65.57 v1(111.64,65.57)
Net-(L33-DOUT): length 18.1
  Top w0.2: v1(121.02,69.93) 126.46,69.93 127.47,68.92 127.47,66.66 128.67,65.46 v1(130.64,65.46)
  Bottom w0.2: L34.2 131.44,65.9 131,65.46 v1(130.64,65.46) ; v1(121.02,69.93) 119.8,69.93 L33.4
Net-(L34-DOUT): length 18.5
  Top w0.2: v1(149.6,65.53) 147.6,65.53 146.54,66.59 146.54,69.04 145.18,70.4 140.59,70.4 v1(140.1,69.91)
  Bottom w0.2: L34.4 138.8,68.62 v1(140.1,69.91) ; L35.2 150.49,65.99 150.03,65.53 v1(149.6,65.53)
Net-(L35-DOUT): length 18.2
  Top w0.2: v1(158.94,70.22) 164.38,70.22 165.58,69.02 165.58,66.57 166.54,65.61 v1(168.52,65.61)
  Bottom w0.2: v1(158.94,70.22) 157.33,68.62 L35.4 ; v1(168.52,65.61) 169.08,65.61 169.54,66.07 L36.2
Net-(L36-DOUT): length 18.5
  Top w0.2: v1(187.93,65.49) 185.73,65.49 184.6,66.62 184.6,69 183.26,70.34 178.74,70.34 v1(178.23,69.83)
  Bottom w0.2: v1(187.93,65.49) 188.32,65.49 188.59,65.76 L37.2 ; L36.4 177.01,68.62 v1(178.23,69.83)
Net-(L37-DOUT): length 18.3
  Top w0.2: v1(197.48,70.51) 202.28,70.51 203.71,69.08 203.71,66.66 204.78,65.59 v1(206.41,65.59)
  Bottom w0.2: L37.4 195.58,68.62 v1(197.48,70.51) ; v1(206.41,65.59) 206.94,65.59 207.64,66.29 L38.2
Net-(L38-DOUT): length 18.2
  Top w0.2: v1(216.13,70.43) 221.3,70.43 222.7,69.03 222.7,66.75 223.83,65.62 v1(225.5,65.62)
  Bottom w0.2: L38.4 214.31,68.62 v1(216.13,70.43) ; v1(225.5,65.62) 226.12,65.62 226.69,66.19 L39.2
Net-(L39-DOUT): length 18.6
  Top w0.2: v1(244.96,65.56) 242.81,65.56 241.76,66.61 241.76,69.06 240.13,70.69 236.67,70.69 v1(235.36,69.38)
  Bottom w0.2: L40.2 245.74,66.05 245.25,65.56 v1(244.96,65.56) ; L39.4 234.59,68.62 v1(235.36,69.38)
Net-(L40-DOUT): length 22.8
  Top w0.2: v1(269.02,65.62) 268.17,65.62 267.79,66 267.79,68.14 266.2,69.73 264.88,69.73 264.53,70.08 254.82,70.08 v1(254.6,69.86)
  Bottom w0.2: v1(254.6,69.86) 253.35,68.62 L40.4 ; v1(269.02,65.62) 269.36,65.62 269.55,65.81 269.55,67.12
Net-(L41-DOUT): length 43.1
  Top w0.2: v1(262.83,47.04) 263.41,46.46 277.47,46.46 280.26,49.25 v1(280.26,62.3) ; v1(280.82,63.77) 280.9,63.85 280.9,65.46 v1(277.87,68.49)
  Bottom w0.2: v1(262.83,47.04) 262.41,47.46 L42.2 ; v1(280.26,62.3) 280.82,62.86 v1(280.82,63.77) ; v1(277.87,68.49) 277.74,68.62 L41.4
Net-(L42-DOUT): length 42.5
  Top w0.2: v1(263.15,51.11) 242.82,51.11 241.67,49.96 241.67,47.84 240.29,46.46 v1(232.36,46.46)
  Bottom w0.2: L43.2 231.45,47.36 v1(232.36,46.46) ; v1(263.15,51.11) 267.86,51.11 267.9,51.15 268.51,50.54 L42.4
Net-(L43-DOUT): length 31
  Top w0.2: v1(232.34,51.18) 223.92,51.18 222.63,49.89 222.63,47.34 221.79,46.5 v1(213.41,46.5)
  Bottom w0.2: L43.4 237.55,50.41 236.82,51.15 232.37,51.15 v1(232.34,51.18) ; v1(213.41,46.5) 212.89,46.5 212.4,46.98 L44.2
Net-(L44-DOUT): length 30.7
  Top w0.2: v1(194.64,46.4) 194.69,46.45 202.37,46.45 203.49,47.57 203.49,49.59 205.06,51.16 v1(213.7,51.16)
  Bottom w0.2: L44.4 218.5,50.19 217.54,51.16 v1(213.7,51.16) ; v1(194.64,46.4) 193.88,46.4 193.35,46.93 L45.2
Net-(L45-DOUT): length 30.5
  Top w0.2: v1(175.28,46.53) 183.49,46.53 184.45,47.49 184.45,49.54 186.03,51.12 v1(194.5,51.12)
  Bottom w0.2: v1(194.5,51.12) 194.57,51.05 198.73,51.05 199.45,50.32 L45.4 ; v1(175.28,46.53) 175,46.53 174.3,47.22 L46.2
Net-(L46-DOUT): length 31.2
  Top w0.2: v1(175.11,51.15) 166.07,51.15 165.53,50.61 165.53,47.54 164.47,46.48 v1(156.03,46.48)
  Bottom w0.2: v1(175.11,51.15) 179.72,51.15 180.4,50.46 L46.4 ; v1(156.03,46.48) 155.25,47.25 L47.2
Net-(L47-DOUT): length 30.1
  Top w0.2: v1(156.2,51.16) 147.56,51.16 146.33,49.93 146.33,47.73 145.19,46.59 137.17,46.59 v1(137.15,46.57)
  Bottom w0.2: 136.2,48.07 136.2,47.51 v1(137.15,46.57) ; v1(156.2,51.16) 160.1,51.16 161.35,49.9 L47.4
Net-(L48-DOUT): length 30.6
  Top w0.2: v1(118.16,46.46) 118.19,46.49 126.21,46.49 127.37,47.65 127.37,50.09 128.37,51.09 v1(137.19,51.09)
  Bottom w0.2: L48.4 142.3,50.37 141.59,51.09 v1(137.19,51.09) ; v1(118.16,46.46) 117.15,47.46 L49.2
Net-(L49-DOUT): length 30.5
  Top w0.2: v1(118.17,51.2) 109.59,51.2 108.3,49.91 108.3,47.62 107.19,46.51 99.03,46.51 v1(99.01,46.53)
  Bottom w0.2: v1(118.17,51.2) 118.25,51.12 122.4,51.12 123.25,50.26 L49.4 ; 98.1,48.07 98.1,47.43 v1(99.01,46.53)
Net-(L50-DOUT): length 30.7
  Top w0.2: v1(99.04,51.2) 90.55,51.2 89.2,49.85 89.2,47.7 88.03,46.53 79.99,46.53 v1(79.98,46.52)
  Bottom w0.2: L51.2 79.05,46.95 79.49,46.52 v1(79.98,46.52) ; L50.4 104.2,50.25 103.26,51.2 v1(99.04,51.2)
Net-(L51-DOUT): length 30.9
  Top w0.2: v1(79.97,51.14) 71.44,51.14 70.17,49.87 70.17,47.64 68.98,46.45 60.96,46.45 v1(60.95,46.46)
  Bottom w0.2: v1(79.97,51.14) 80.01,51.18 84.49,51.18 85.15,50.51 L51.4 ; L52.2 60,46.97 60.52,46.46 v1(60.95,46.46)
Net-(L52-DOUT): length 30.8
  Top w0.2: v1(60.92,51.3) 52.4,51.3 51.2,50.1 51.2,47.67 50.02,46.49 41.89,46.49 v1(41.88,46.5)
  Bottom w0.2: v1(60.92,51.3) 61.04,51.18 65.4,51.18 66.1,50.47 L52.4 ; 40.95,48.07 40.95,47.42 v1(41.88,46.5)
Net-(L53-DOUT): length 37.7
  Top w0.2: v1(15.65,46.52) 15.69,46.48 23.46,46.48 24.8,47.82 24.8,49.78 26.23,51.21 v1(41.74,51.21)
  Bottom w0.2: L53.4 47.05,50.52 46.43,51.15 41.8,51.15 v1(41.74,51.21) ; v1(15.65,46.52) 14.76,47.41 L54.2
Net-(L54-DOUT): length 40.7
  Top w0.2: v1(18.81,27.42) 16.76,27.42 10.79,33.39 10.79,50.25 11.69,51.15 v1(15.6,51.15)
  Bottom w0.2: L55.2 19.52,28.13 v1(18.81,27.42) ; v1(15.6,51.15) 15.66,51.09 19.93,51.09 20.86,50.16 L54.4
Net-(L55-DOUT): length 30.1
  Top w0.2: v1(28.39,31.81) 28.7,32.12 28.7,32.14 45.38,32.14 46.44,31.08 46.44,28.68 47.71,27.41 49.67,27.41 v1(49.71,27.45)
  Bottom w0.2: L56.2 50.48,28.22 v1(49.71,27.45) ; L55.4 27.24,30.52 28.39,31.66 v1(28.39,31.81)
Net-(L56-DOUT): length 17.9
  Top w0.2: v1(68.76,27.49) 66.7,27.49 65.55,28.64 65.55,30.93 64.41,32.07 59.82,32.07 v1(59.31,31.56)
  Bottom w0.2: v1(59.31,31.56) 58.26,30.52 L56.4 ; v1(68.76,27.49) 69.53,28.26 L57.2
Net-(L57-DOUT): length 17.8
  Top w0.2: v1(87.75,27.53) 85.66,27.53 84.55,28.64 84.55,30.94 83.44,32.05 78.91,32.05 v1(78.33,31.47)
  Bottom w0.2: v1(87.75,27.53) 88.58,28.36 L58.2 ; v1(78.33,31.47) 77.37,30.52 L57.4
Net-(L58-DOUT): length 18
  Top w0.2: v1(97.09,31.47) 97.88,32.26 102.32,32.26 103.63,30.95 103.63,28.61 104.71,27.53 v1(106.82,27.53)
  Bottom w0.2: L58.4 96.13,30.52 v1(97.09,31.47) ; v1(106.82,27.53) 107.63,28.34 L59.2
Net-(L59-DOUT): length 18
  Top w0.2: v1(125.97,27.43) 123.84,27.43 122.67,28.6 122.67,30.93 121.58,32.02 116.86,32.02 v1(116.39,31.55)
  Bottom w0.2: L60.2 126.68,28.14 v1(125.97,27.43) ; L59.4 115.35,30.52 v1(116.39,31.55)
Net-(L60-DOUT): length 17.9
  Top w0.2: v1(144.97,27.56) 142.83,27.56 141.76,28.63 141.76,31.15 140.88,32.03 136.15,32.03 v1(135.65,31.53)
  Bottom w0.2: v1(144.97,27.56) 145.73,28.32 L61.2 ; L60.4 134.63,30.52 v1(135.65,31.53)
Net-(L61-DOUT): length 18
  Top w0.2: v1(154.55,31.76) 154.93,32.14 159.54,32.14 160.79,30.89 160.79,28.62 161.92,27.49 v1(164.03,27.49)
  Bottom w0.2: L62.2 164.78,28.24 v1(164.03,27.49) ; L61.4 153.3,30.52 v1(154.55,31.76)
Net-(L62-DOUT): length 17.9
  Top w0.2: v1(182.96,27.49) 180.95,27.49 179.86,28.58 179.86,30.88 178.6,32.14 174.44,32.14 v1(173.93,31.63)
  Bottom w0.2: v1(182.96,27.49) 183.83,28.36 L63.2 ; v1(173.93,31.63) 172.81,30.52 L62.4
Net-(L63-DOUT): length 17.8
  Top w0.2: v1(202.08,27.51) 200.06,27.51 198.98,28.59 198.98,30.85 197.84,31.99 192.73,31.99 v1(192.32,31.58)
  Bottom w0.2: v1(192.32,31.58) 191.25,30.52 L63.4 ; L64.2 202.88,28.31 v1(202.08,27.51)
Net-(L64-DOUT): length 17.9
  Top w0.2: v1(221.22,27.52) 219.09,27.52 217.94,28.67 217.94,30.93 216.72,32.15 211.97,32.15 v1(211.51,31.69)
  Bottom w0.2: L64.4 210.33,30.52 v1(211.51,31.69) ; L65.2 221.93,28.23 v1(221.22,27.52)
Net-(L65-DOUT): length 34.7
  Top w0.2: v1(256.97,27.45) 256.96,27.46 254.93,27.46 253.7,28.69 253.7,30.85 252.39,32.16 231.2,32.16 v1(230.65,31.61)
  Bottom w0.2: v1(230.65,31.61) 229.55,30.52 L65.4 ; L66.2 257.65,28.13 v1(256.97,27.45)
Net-(L66-DOUT): length 39.2
  Top w0.2: v1(266.52,31.65) 267.06,32.19 285.86,32.19 291.77,26.28 291.77,23.75 292.93,22.59 294.78,22.59 v1(294.95,22.76)
  Bottom w0.2: L66.4 265.38,30.52 v1(266.52,31.65) ; v1(294.95,22.76) 295.75,23.56 L67.2
Net-(L67-DOUT): length 29.7
  Top w0.2: v1(303.64,24.99) 306.19,22.44 v1(306.19,21.89) ; v1(314.34,3.59) 310.72,7.21 310.72,16.94 308.46,19.2 v1(308.46,19.29)
  Bottom w0.2: v1(314.34,3.59) 314.8,4.05 L68.2 ; v1(303.64,24.99) 302.87,25.75 L67.4 ; v1(308.46,19.29) 306.19,21.56 v1(306.19,21.89)
Net-(L68-DOUT): length 30.2
  Bottom w0.2: L68.4 320.9,7.24 319.92,8.22 307.44,8.22 305.92,6.7 305.92,4.73 304.9,3.71 296.53,3.71 295.75,4.49 L69.2
Net-(L69-DOUT): length 30.6
  Top w0.2: v1(297.25,8.44) 288.42,8.44 286.88,6.9 286.88,4.69 285.81,3.62 v1(277.6,3.62)
  Bottom w0.2: v1(297.25,8.44) 297.49,8.2 301.04,8.2 301.85,7.39 L69.4 ; L70.2 276.7,4.52 v1(277.6,3.62)
Net-(L70-DOUT): length 42
  Top w0.2: v1(249.14,8.44) 249.17,8.41 257.17,8.41 258.31,9.55 258.31,11.98 259.4,13.07 264.71,13.07 269.48,8.3 v1(277.74,8.3)
  Bottom w0.2: v1(277.74,8.3) 277.75,8.29 281.43,8.29 281.6,8.12 282.11,8.12 282.8,7.43 L70.4 ; L71.2 248.12,9.46 v1(249.14,8.44)
Net-(L71-DOUT): length 35.4
  Top w0.2: v1(249.05,13.04) 248.88,12.87 235.65,12.87 234.55,11.77 234.55,9.49 233.46,8.4 v1(225.27,8.4)
  Bottom w0.2: v1(225.27,8.4) 224.31,9.36 L72.2 ; v1(249.05,13.04) 249.13,12.96 253.69,12.96 254.22,12.43 L71.4
Net-(L72-DOUT): length 35.4
  Top w0.2: v1(225.46,13.05) 212.02,13.05 210.69,11.72 210.69,9.36 209.76,8.43 201.45,8.43 v1(201.41,8.39)
  Bottom w0.2: v1(201.41,8.39) 200.5,9.3 L73.2 ; v1(225.46,13.05) 225.54,12.97 229.76,12.97 230.41,12.32 L72.4
Net-(L73-DOUT): length 48.6
  Bottom w0.2: L73.4 206.6,12.19 205.83,12.96 175.46,12.96 170.34,7.84 163.95,7.84 162.4,9.39 L74.2
Net-(L74-DOUT): length 45.5
  Top w0.2: v1(130.03,8.36) 130.08,8.41 138.26,8.41 139.36,9.51 139.36,11.97 140.33,12.94 v1(161.85,12.94)
  Bottom w0.2: L75.2 129.06,9.33 v1(130.03,8.36) ; v1(161.85,12.94) 162.3,13.39 167.69,13.39 168.5,12.58 L74.4
Net-(L75-DOUT): length 43.9
  Top w0.2: v1(96.16,8.37) 103.62,8.37 108.22,12.97 v1(130.07,12.97)
  Bottom w0.2: L75.4 135.16,12.41 134.61,12.96 130.08,12.96 v1(130.07,12.97) ; v1(96.16,8.37) 95.72,8.81 L76.2
Net-(L76-DOUT): length 50.2
  Bottom w0.2: L76.4 101.82,12.54 101.01,13.35 69.34,13.35 67.78,11.79 67.78,9.54 66.66,8.42 58.13,8.42 57.62,8.93 L77.2
Net-(L77-DOUT): length 35.3
  Top w0.2: v1(34.83,8.39) 34.85,8.37 42.94,8.37 44.01,9.44 44.01,11.88 45.07,12.94 v1(58.56,12.94)
  Bottom w0.2: v1(58.56,12.94) 58.58,12.96 62.97,12.96 63.72,12.21 L77.4 ; v1(34.83,8.39) 33.81,9.41 L78.2
Net-(L78-DOUT): length 35.4
  Top w0.2: v1(34.63,12.98) 21.18,12.98 20.18,11.98 20.18,9.46 19.12,8.4 10.96,8.4 v1(10.9,8.46)
  Bottom w0.2: v1(10.9,8.46) 10,9.36 L79.2 ; v1(34.63,12.98) 34.66,13.01 39.1,13.01 39.91,12.2 L78.4
Net-(U1-GPIO28_ADC2): length 59.7
  Top w0.2: U1.34 310.46,108.93 310.46,76.44 311.92,74.98 317.5,74.98 320.49,71.99 320.49,60.93 R1.1
  Bottom w0.2: 313.29,112 313.13,111.84
unconnected-(U1-RUN-Pad30)_1: length 0
  Bottom w0.2: 313.13,101.68 313.15,101.7

## Copper pours and planes (outline as drawn; the poured copper is in the pictures)
(no net) on Top, Bottom: 0,129.78 0,0 329.8,0 329.8,129.78

## Text on the board
B.Silkscreen: Shane's / Skippy
